# KiCad board EKO_Miner_BM1366-13xx_16-01A.kicad_pcb (continued)
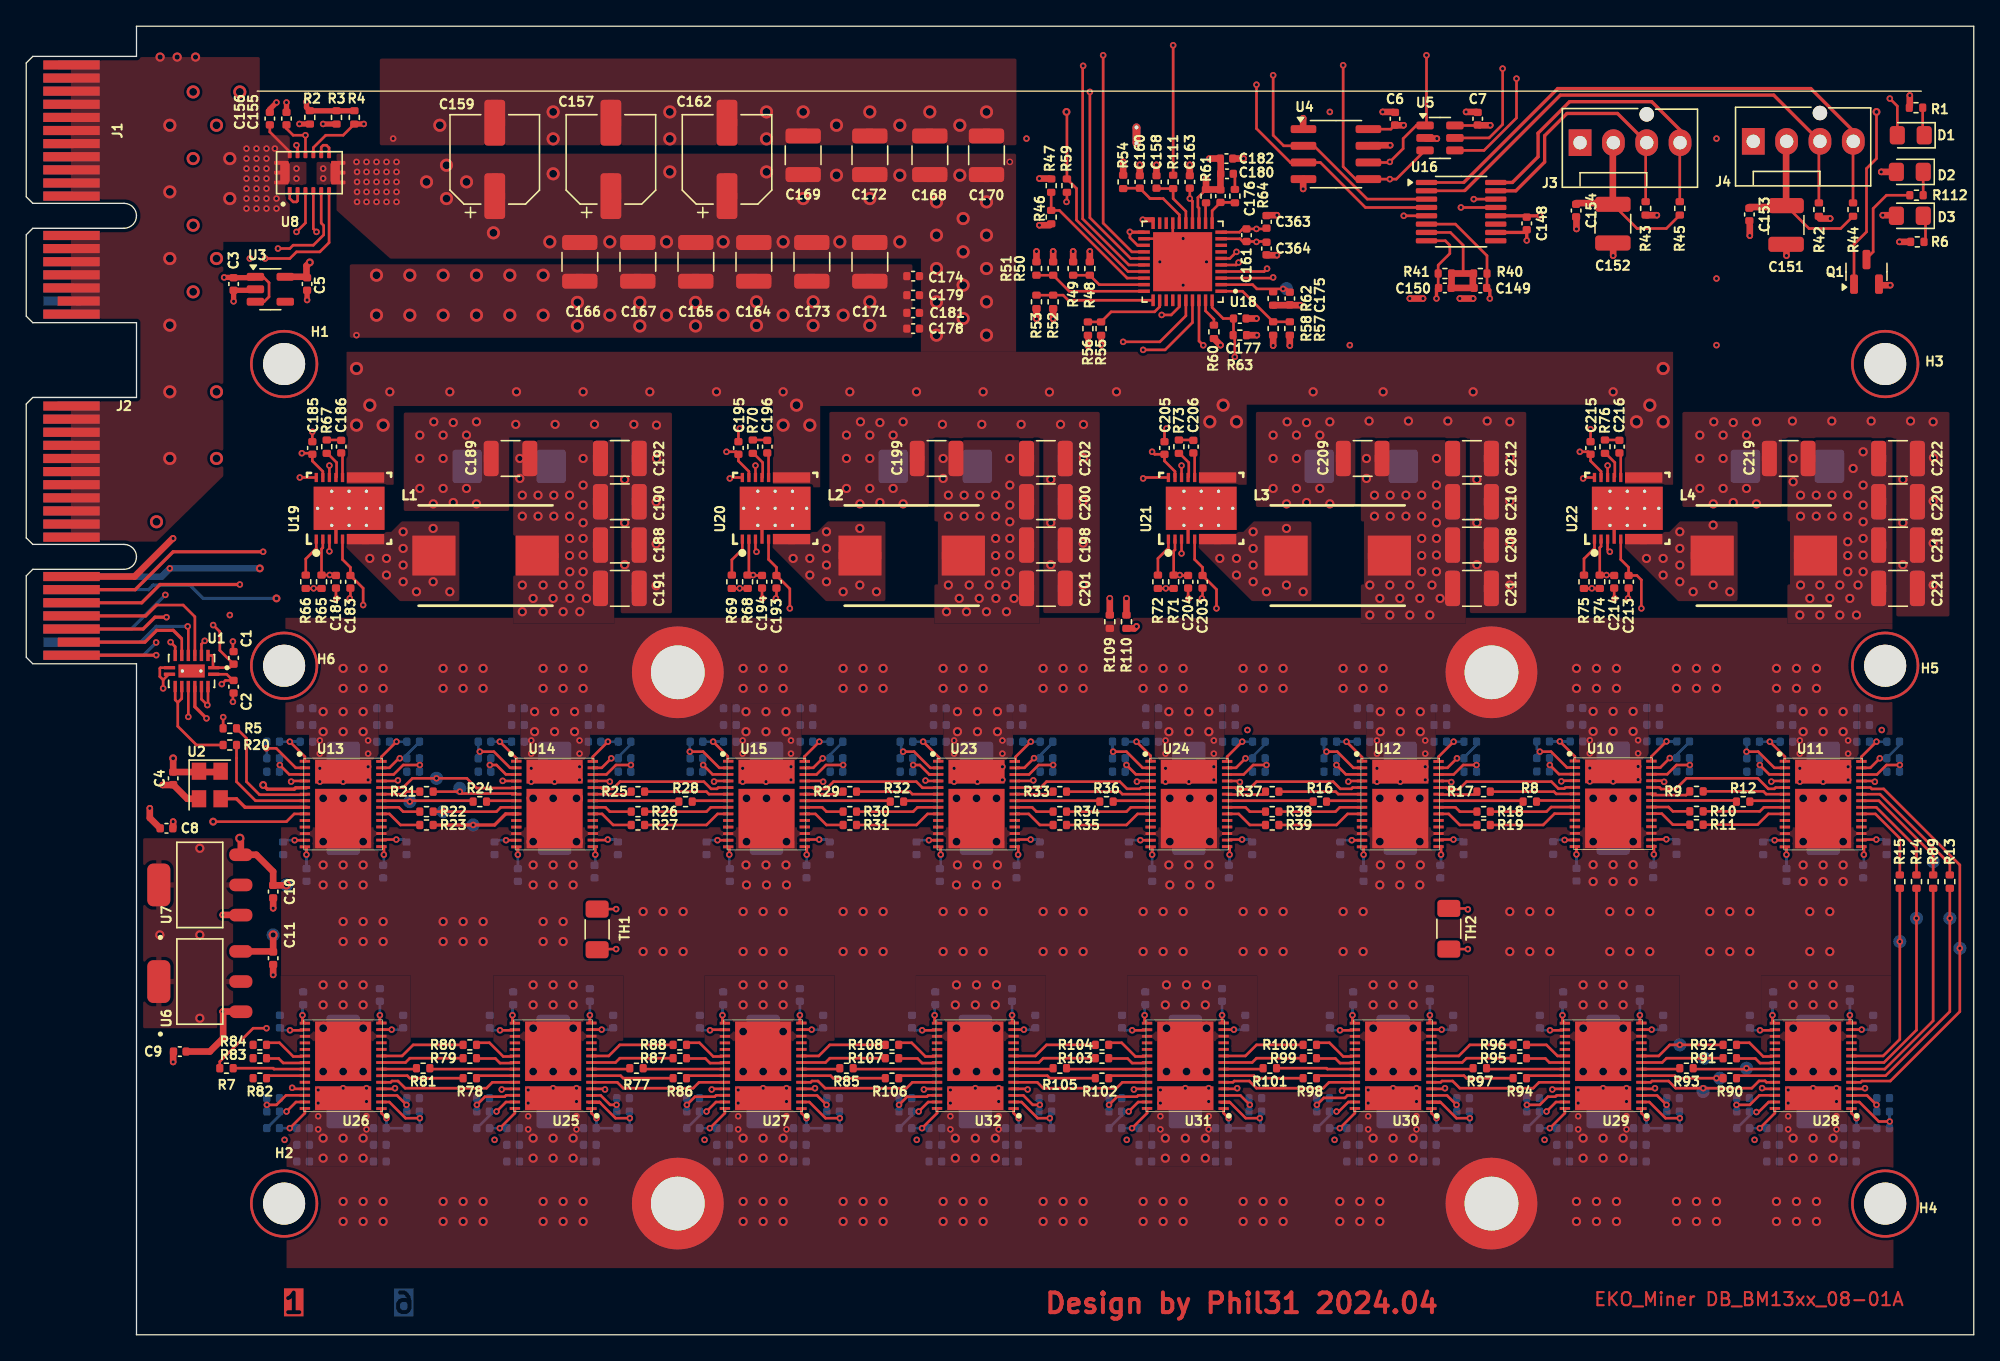
[diagram p0: board, top side]
## Routing (per net, layer and track width the routed paths; a pad name or vN(x,y) marks a point on that pad's centre or on a via; arc(x,y) is an arc through that point) (continued)
/ASICs/ASICs_BM1366_1/BM1366-2/VDD3_1: length 4.3
  Top w0.2: v2(62.25,43.43) 60.94,43.43 60.22,42.71 59.29,42.71
  Bottom w0.2: 62.18,43.94 62.18,43.5 v2(62.25,43.43) 62.18,43.37 62.18,42.93
/ASICs/ASICs_BM1366_1/BM1366-3/VDD1_0: length 4.4
  Top w0.2: 69.56,43.72 69.56,43.99 v2(68.34,45.21)
  Bottom w0.2: v2(68.34,45.21) 69.21,45.21 67.63,45.21
/ASICs/ASICs_BM1366_1/BM1366-3/VDD1_1: length 3.3
  Top w0.2: 75.4,43.71 75.4,44.06 v2(76.54,45.21)
  Bottom w0.2: 77.33,45.21 76.01,45.21
/ASICs/ASICs_BM1366_1/BM1366-3/VDD2_0: length 4.6
  Top w0.2: v2(66.82,44.45) 67.66,44.45 68.89,43.22 U23.2
  Bottom w0.2: 66.67,45.21 66.67,44.6 v2(66.82,44.45) 66.67,44.3 66.67,43.94
/ASICs/ASICs_BM1366_1/BM1366-3/VDD2_1: length 3.9
  Top w0.2: 75.4,43.22 76.06,43.22 v2(76.79,43.96)
  Bottom w0.2: v2(76.79,43.96) 76.81,43.94 77.33,43.94 77.33,44.25 78.29,45.21
/ASICs/ASICs_BM1366_1/BM1366-3/VDD3_0: length 4
  Top w0.2: U23.3 68.81,42.72 ; 68.81,42.72 69.56,42.72 ; 68.81,42.72 68.09,43.43 v2(67.58,43.43)
  Bottom w0.2: 67.63,43.94 67.63,43.48 v2(67.58,43.43) 67.63,43.39 67.63,42.93
/ASICs/ASICs_BM1366_1/BM1366-3/VDD3_1: length 4.2
  Top w0.2: 75.4,42.71 76.41,42.71 77.14,43.43 v2(78.25,43.43)
  Bottom w0.2: 78.29,42.93 78.29,43.39 v2(78.25,43.43) 78.29,43.48 78.29,43.94
/ASICs/ASICs_BM1366_1/BM1366-4/VDD1_0: length 4.2
  Top w0.2: v2(84.6,45.21) 85.68,44.14 U24.1
  Bottom w0.2: v2(84.6,45.21) C140.1 C138.2
/ASICs/ASICs_BM1366_1/BM1366-4/VDD1_1: length 3.3
  Top w0.2: U24.28 91.51,44.06 v2(92.66,45.21)
  Bottom w0.2: C223.1 C146.2
/ASICs/ASICs_BM1366_1/BM1366-4/VDD2_0: length 4.7
  Top w0.2: U24.2 85.07,43.22 83.84,44.45 v2(82.82,44.45)
  Bottom w0.2: C136.2 82.78,44.41 v2(82.82,44.45) 82.78,44.49 C138.1
/ASICs/ASICs_BM1366_1/BM1366-4/VDD2_1: length 3.9
  Top w0.2: v2(92.91,43.94) 92.19,43.22 U24.27
  Bottom w0.2: C223.2 94.41,45.03 93.45,44.07 C225.1 v2(92.91,43.94)
/ASICs/ASICs_BM1366_1/BM1366-4/VDD3_0: length 3.2
  Top w0.2: U24.3 84.56,42.72 v2(83.84,43.43)
  Bottom w0.2: C135.2 83.74,43.33 v2(83.84,43.43) 83.74,43.53 C136.1
/ASICs/ASICs_BM1366_1/BM1366-4/VDD3_1: length 4.4
  Top w0.2: U24.26 92.76,42.71 93.49,43.43 v2(94.51,43.43)
  Bottom w0.2: C225.2 94.41,43.53 v2(94.51,43.43) 94.41,43.33 C226.1
/ASICs/ASICs_BM1366_1/BM1366-5/VDD1_0: length 4.4
  Top w0.2: v2(100.6,45.21) 101.79,44.03 U12.1
  Bottom w0.2: C53.2 C55.1 v2(100.6,45.21)
/ASICs/ASICs_BM1366_1/BM1366-5/VDD1_1: length 3.3
  Top w0.2: v2(108.77,45.21) 107.62,44.06 U12.28
  Bottom w0.2: C63.1 C61.2
/ASICs/ASICs_BM1366_1/BM1366-5/VDD2_0: length 4.6
  Top w0.2: U12.2 101.13,43.22 99.9,44.45 v2(99.08,44.45)
  Bottom w0.2: C53.1 98.89,44.64 v2(99.08,44.45) 98.89,44.26 C51.2
/ASICs/ASICs_BM1366_1/BM1366-5/VDD2_1: length 3.9
  Top w0.2: U12.27 108.3,43.22 v2(109.02,43.94)
  Bottom w0.2: C63.2 110.52,44.96 109.56,44 C65.1 v2(109.02,43.94)
/ASICs/ASICs_BM1366_1/BM1366-5/VDD3_0: length 3.3
  Top w0.2: v2(99.84,43.43) 100.56,42.72 U12.3
  Bottom w0.2: C50.2 99.85,43.43 v2(99.84,43.43) 99.85,43.44 C51.1
/ASICs/ASICs_BM1366_1/BM1366-5/VDD3_1: length 4.2
  Top w0.2: U12.26 108.77,42.71 109.49,43.43 v2(110.51,43.43)
  Bottom w0.2: C65.2 110.52,43.44 v2(110.51,43.43) 110.52,43.43 C66.1
/ASICs/ASICs_BM1366_1/BM1366-6/VDD1_0: length 4.3
  Top w0.2: U10.1 118.01,44.08 v2(116.86,45.23)
  Bottom w0.2: C19.2 C21.1 v2(116.86,45.23)
/ASICs/ASICs_BM1366_1/BM1366-6/VDD1_1: length 3.3
  Top w0.2: U10.28 123.84,44.08 v2(124.99,45.23)
  Bottom w0.2: C29.1 C27.2
/ASICs/ASICs_BM1366_1/BM1366-6/VDD2_0: length 4.6
  Top w0.2: 118.01,43.24 117.4,43.24 116.19,44.45 v2(115.33,44.45)
  Bottom w0.2: C17.2 115.11,44.22 v2(115.33,44.45) 115.11,44.68 C19.1
/ASICs/ASICs_BM1366_1/BM1366-6/VDD2_1: length 3.9
  Top w0.2: 123.84,43.24 124.52,43.24 v2(125.24,43.96)
  Bottom w0.2: v2(125.24,43.96) C31.1 125.78,44.22 126.74,45.18 C29.2
/ASICs/ASICs_BM1366_1/BM1366-6/VDD3_0: length 3.2
  Top w0.2: U10.3 116.79,42.74 v2(116.1,43.43)
  Bottom w0.2: C16.2 116.07,43.41 v2(116.1,43.43) 116.07,43.46 C17.1
/ASICs/ASICs_BM1366_1/BM1366-6/VDD3_1: length 4.3
  Top w0.2: U10.26 125.04,42.73 125.75,43.43 v2(126.76,43.43)
  Bottom w0.2: C31.2 126.74,43.46 v2(126.76,43.43) 126.74,43.41 C32.1
/ASICs/ASICs_BM1366_1/BM1366-7/VDD1_0: length 4.3
  Top w0.2: v2(132.86,45.21) 134.01,44.06 U11.1
  Bottom w0.2: C36.2 C38.1 v2(132.86,45.21)
/ASICs/ASICs_BM1366_1/BM1366-7/VDD1_1: length 3.3
  Top w0.2: U11.28 139.84,44.06 v2(140.99,45.21)
  Bottom w0.2: C46.1 C44.2
/ASICs/ASICs_BM1366_1/BM1366-7/VDD2_0: length 4.7
  Top w0.2: U11.2 133.21,43.22 ; v2(131.08,44.45) 131.98,44.45 133.16,43.26
  Bottom w0.2: C36.1 131.11,44.48 v2(131.08,44.45) 131.11,44.42 C34.2
/ASICs/ASICs_BM1366_1/BM1366-7/VDD2_1: length 3.9
  Top w0.2: U11.27 140.52,43.22 v2(141.24,43.94)
  Bottom w0.2: C46.2 142.74,44.94 141.78,43.98 C48.1 v2(141.24,43.94)
/ASICs/ASICs_BM1366_1/BM1366-7/VDD3_0: length 3.2
  Top w0.2: U11.3 132.81,42.72 v2(132.1,43.43)
  Bottom w0.2: C33.2 132.07,43.41 v2(132.1,43.43) 132.07,43.46 C34.1
/ASICs/ASICs_BM1366_1/BM1366-7/VDD3_1: length 4.3
  Top w0.2: U11.26 141.02,42.71 141.75,43.43 v2(142.77,43.43)
  Bottom w0.2: C48.2 142.74,43.46 v2(142.77,43.43) 142.74,43.41 C49.1
/ASICs/ASICs_BM1366_2/BM1366-0/VDD1_0: length 3.2
  Top w0.2: 139.08,17.24 139.08,16.9 v2(139.46,16.51)
  Bottom w0.2: v2(139.46,16.51) 139.46,15.78 C283.1 C281.2
/ASICs/ASICs_BM1366_2/BM1366-0/VDD1_1: length 3.3
  Top w0.2: v2(132.1,15.75) 133.25,16.9 U28.28
  Bottom w0.2: C291.1 C289.2
/ASICs/ASICs_BM1366_2/BM1366-0/VDD2_0: length 4.8
  Top w0.2: v2(141.99,16.26) 141.17,16.26 139.68,17.74 U28.2
  Bottom w0.2: C279.2 141.98,16.27 v2(141.99,16.26) 141.98,16.24 C281.1
/ASICs/ASICs_BM1366_2/BM1366-0/VDD2_1: length 3.7
  Top w0.2: v2(131.84,16.98) 132.01,16.98 132.77,17.74 U28.27
  Bottom w0.2: v2(131.84,16.98) 131.58,16.98 C291.2
/ASICs/ASICs_BM1366_2/BM1366-0/VDD3_0: length 3.2
  Top w0.2: U28.3 140.27,18.24 v2(140.99,17.53)
  Bottom w0.2: C279.1 141.02,17.5 v2(140.99,17.53) 141.02,17.55 C278.2
/ASICs/ASICs_BM1366_2/BM1366-0/VDD3_1: length 4.3
  Top w0.2: v2(130.32,17.53) 131.34,17.53 132.06,18.25 U28.26
  Bottom w0.2: C294.1 130.35,17.55 v2(130.32,17.53) 130.35,17.5 C293.2
/ASICs/ASICs_BM1366_2/BM1366-1/VDD1_0: length 3.2
  Top w0.2: v2(123.46,16.51) 123.08,16.9 123.08,17.24
  Bottom w0.2: v2(123.46,16.51) 123.46,15.78 C300.1 C298.2
/ASICs/ASICs_BM1366_2/BM1366-1/VDD1_1: length 3.3
  Top w0.2: U29.28 117.24,16.9 v2(116.1,15.75)
  Bottom w0.2: C308.1 C306.2
/ASICs/ASICs_BM1366_2/BM1366-1/VDD2_0: length 4.7
  Top w0.2: v2(126,16.51) 124.91,16.51 123.68,17.74 U29.2
  Bottom w0.2: C298.1 v2(126,16.51) C296.2
/ASICs/ASICs_BM1366_2/BM1366-1/VDD2_1: length 3.9
  Top w0.2: U29.27 116.56,17.74 v2(115.84,17.02)
  Bottom w0.2: v2(115.84,17.02) C310.1 115.31,16.71 C308.2
/ASICs/ASICs_BM1366_2/BM1366-1/VDD3_0: length 3.2
  Top w0.2: U29.3 124.27,18.24 v2(124.99,17.53)
  Bottom w0.2: C295.2 125.01,17.55 v2(124.99,17.53) 125.01,17.5 C296.1
/ASICs/ASICs_BM1366_2/BM1366-1/VDD3_1: length 4.2
  Top w0.2: U29.26 116.62,18.25 116.52,18.15 115.96,18.15 115.33,17.53 v2(114.35,17.53)
  Bottom w0.2: C311.1 C310.2
/ASICs/ASICs_BM1366_2/BM1366-2/VDD1_0: length 3.2
  Top w0.2: v2(107.46,16.51) 107.07,16.9 107.07,17.24
  Bottom w0.2: v2(107.46,16.51) 107.46,15.78 C317.1 C315.2
/ASICs/ASICs_BM1366_2/BM1366-2/VDD1_1: length 3.3
  Top w0.2: v2(100.09,15.75) 101.24,16.9 U30.28
  Bottom w0.2: C325.1 C323.2
/ASICs/ASICs_BM1366_2/BM1366-2/VDD2_0: length 6.2
  Top w0.2: v2(110,16.51) 108.98,16.51 107.75,17.74 U30.2 107.7,17.74 107.74,17.7 106.88,17.7
  Bottom w0.2: C315.1 v2(110,16.51) C313.2
/ASICs/ASICs_BM1366_2/BM1366-2/VDD2_1: length 3.9
  Top w0.2: U30.27 100.74,17.74 100.02,17.02 v2(99.84,17.02)
  Bottom w0.2: C325.2 99.3,16.71 C327.1 v2(99.84,17.02)
/ASICs/ASICs_BM1366_2/BM1366-2/VDD3_0: length 3.2
  Top w0.2: U30.3 108.27,18.24 v2(108.98,17.53)
  Bottom w0.2: C313.1 109.01,17.5 v2(108.98,17.53) 109.01,17.55 C312.2
/ASICs/ASICs_BM1366_2/BM1366-2/VDD3_1: length 4.2
  Top w0.2: v2(98.34,17.53) 98.87,18.06 100.49,18.06 100.69,18.25 U30.26
  Bottom w0.2: C328.1 C327.2
/ASICs/ASICs_BM1366_2/BM1366-3/VDD1_0: length 3.2
  Top w0.2: v2(91.62,16.51) 91.24,16.9 91.24,17.24
  Bottom w0.2: v2(91.62,16.51) 91.62,15.78 C334.1 C332.2
/ASICs/ASICs_BM1366_2/BM1366-3/VDD1_1: length 3.3
  Top w0.2: U31.28 85.41,16.9 v2(84.26,15.75)
  Bottom w0.2: C342.1 C340.2
/ASICs/ASICs_BM1366_2/BM1366-3/VDD2_0: length 5.3
  Top w0.2: v2(94,16.51) 92.92,16.51 91.69,17.74 ; 91.69,17.74 91.74,17.7 91.04,17.7 ; 91.69,17.74 U31.2
  Bottom w0.2: C330.2 v2(94,16.51) C332.1
/ASICs/ASICs_BM1366_2/BM1366-3/VDD2_1: length 3.9
  Top w0.2: v2(84,17.02) 84.73,17.74 U31.27
  Bottom w0.2: C342.2 83.47,16.71 C344.1 v2(84,17.02)
/ASICs/ASICs_BM1366_2/BM1366-3/VDD3_0: length 3.4
  Top w0.2: v2(93.24,17.53) 92.52,18.24 U31.3
  Bottom w0.2: C330.1 93.18,17.47 v2(93.24,17.53) 93.18,17.59 C329.2
/ASICs/ASICs_BM1366_2/BM1366-3/VDD3_1: length 4.2
  Top w0.2: U31.26 84.73,18.25 84.63,18.15 83.13,18.15 v2(82.51,17.53)
  Bottom w0.2: C345.1 C344.2
/ASICs/ASICs_BM1366_2/BM1366-4/VDD1_0: length 3.2
  Top w0.2: v2(75.62,16.51) 75.24,16.9 75.24,17.24
  Bottom w0.2: C349.2 C351.1 75.62,15.78 v2(75.62,16.51)
/ASICs/ASICs_BM1366_2/BM1366-4/VDD1_1: length 3.3
  Top w0.2: v2(68.26,15.75) 69.4,16.9 U32.28
  Bottom w0.2: C359.1 C357.2
/ASICs/ASICs_BM1366_2/BM1366-4/VDD2_0: length 4.6
  Top w0.2: U32.2 75.84,17.74 77.07,16.51 v2(78,16.51)
  Bottom w0.2: C347.2 v2(78,16.51) C349.1
/ASICs/ASICs_BM1366_2/BM1366-4/VDD2_1: length 3.9
  Top w0.2: U32.27 68.73,17.74 v2(68,17.02)
  Bottom w0.2: C359.2 67.47,16.71 C361.1 v2(68,17.02)
/ASICs/ASICs_BM1366_2/BM1366-4/VDD3_0: length 3.4
  Top w0.2: U32.3 75.98,18.24 76.7,17.53 v2(77.23,17.53)
  Bottom w0.2: C347.1 77.17,17.47 v2(77.23,17.53) 77.17,17.59 C346.2
/ASICs/ASICs_BM1366_2/BM1366-4/VDD3_1: length 4.2
  Top w0.2: U32.26 68.73,18.25 68.63,18.15 67.13,18.15 v2(66.51,17.53)
  Bottom w0.2: C362.1 C361.2
/ASICs/ASICs_BM1366_2/BM1366-5/VDD1_0: length 3.2
  Top w0.2: v2(59.45,16.51) 59.07,16.9 59.07,17.24
  Bottom w0.2: C264.2 C266.1 59.45,15.78 v2(59.45,16.51)
/ASICs/ASICs_BM1366_2/BM1366-5/VDD1_1: length 3.3
  Top w0.2: U27.28 53.24,16.9 v2(52.09,15.75)
  Bottom w0.2: C274.1 C272.2
/ASICs/ASICs_BM1366_2/BM1366-5/VDD2_0: length 4.7
  Top w0.2: U27.2 59.67,17.74 60.9,16.51 v2(61.99,16.51)
  Bottom w0.2: C264.1 v2(61.99,16.51) C262.2
/ASICs/ASICs_BM1366_2/BM1366-5/VDD2_1: length 3.9
  Top w0.2: v2(51.83,17.02) 52.56,17.74 U27.27
  Bottom w0.2: C274.2 51.3,16.71 C276.1 v2(51.83,17.02)
/ASICs/ASICs_BM1366_2/BM1366-5/VDD3_0: length 3.2
  Top w0.2: U27.3 60.26,18.24 v2(60.98,17.53)
  Bottom w0.2: C261.2 61.01,17.55 v2(60.98,17.53) 61.01,17.5 C262.1
/ASICs/ASICs_BM1366_2/BM1366-5/VDD3_1: length 4.2
  Top w0.2: U27.26 52.57,18.25 52.46,18.15 50.96,18.15 v2(50.34,17.53)
  Bottom w0.2: C277.1 C276.2
/ASICs/ASICs_BM1366_2/BM1366-6/VDD1_0: length 3.2
  Top w0.2: v2(43.45,16.51) 43.07,16.9 43.07,17.24
  Bottom w0.2: C230.2 C232.1 43.45,15.78 v2(43.45,16.51)
/ASICs/ASICs_BM1366_2/BM1366-6/VDD1_1: length 3.3
  Top w0.2: U25.28 37.23,16.9 v2(36.09,15.75)
  Bottom w0.2: C240.1 C238.2
/ASICs/ASICs_BM1366_2/BM1366-6/VDD2_0: length 6.2
  Top w0.2: v2(45.99,16.51) 44.9,16.51 43.67,17.74 U25.2 43.69,17.74 43.73,17.7 42.87,17.7
  Bottom w0.2: C230.1 v2(45.99,16.51) C228.2
/ASICs/ASICs_BM1366_2/BM1366-6/VDD2_1: length 3.9
  Top w0.2: U25.27 36.56,17.74 v2(35.83,17.02)
  Bottom w0.2: C240.2 35.3,16.71 C242.1 v2(35.83,17.02)
/ASICs/ASICs_BM1366_2/BM1366-6/VDD3_0: length 3.2
  Top w0.2: v2(44.98,17.53) 44.49,17.53 43.78,18.24 U25.3
  Bottom w0.2: C228.1 45,17.5 v2(44.98,17.53) 45,17.55 C227.2
/ASICs/ASICs_BM1366_2/BM1366-6/VDD3_1: length 4.2
  Top w0.2: U25.26 36.56,18.25 36.46,18.15 34.96,18.15 v2(34.34,17.53)
  Bottom w0.2: C243.1 C242.2
/ASICs/ASICs_BM1366_2/BM1366-7/VDD1_0: length 3.2
  Top w0.2: 27.06,17.24 27.06,16.9 v2(27.45,16.51)
  Bottom w0.2: C247.2 C249.1 27.45,15.78 v2(27.45,16.51)
/ASICs/ASICs_BM1366_2/BM1366-7/VDD1_1: length 3.3
  Top w0.2: v2(20.08,15.75) 21.23,16.9 U26.28
  Bottom w0.2: C257.1 C255.2
/ASICs/ASICs_BM1366_2/BM1366-7/VDD2_0: length 4.7
  Top w0.2: v2(29.99,16.51) 28.9,16.51 27.67,17.74 U26.2
  Bottom w0.2: C247.1 v2(29.99,16.51) C245.2
/ASICs/ASICs_BM1366_2/BM1366-7/VDD2_1: length 3.9
  Top w0.2: U26.27 20.55,17.74 v2(19.83,17.02)
  Bottom w0.2: v2(19.83,17.02) C259.1 19.29,16.71 C257.2
/ASICs/ASICs_BM1366_2/BM1366-7/VDD3_0: length 3.2
  Top w0.2: v2(28.97,17.53) 28.26,18.24 U26.3
  Bottom w0.2: C245.1 29,17.5 v2(28.97,17.53) 29,17.55 C244.2
/ASICs/ASICs_BM1366_2/BM1366-7/VDD3_1: length 4.2
  Top w0.2: U26.26 19.79,18.25 19.07,17.53 v2(18.33,17.53)
  Bottom w0.2: C260.1 C259.2
/PSU_160A/VIN: length 10.2
  Top w0.4: 73.73,88.44 C170.1
  Top w0.5: R54.2 v2(83.58,89.41)
  In2.Cu w0.5: v2(83.58,89.41) v5(74.95,89.41)
  vias: v1(27.7,71.88) v1(32.28,71.88) v1(37.36,71.88) v1(42.44,71.88) v1(47.52,71.88) v1(52.6,71.88) v1(57.68,71.88) v1(62.76,71.88) v1(67.84,71.88) v1(72.92,71.88) v1(77.97,71.86) v1(83.08,71.88) v1(98.06,71.88) v1(103.4,71.88) v1(110.25,71.88) v1(120.92,71.88) v2(22.62,88.9) v2(22.62,88.15) v2(25.16,89.41) v2(25.21,88.65) v2(25.21,87.88) v2(25.21,87.12) v2(25.21,86.36) v2(25.93,89.41) v2(25.93,88.65) v2(25.93,87.88) v2(25.93,87.12) v2(25.93,86.36) v2(26.69,89.41) v2(26.69,88.65) v2(26.69,87.88) v2(26.69,87.12) v2(26.69,86.36) v2(27.45,89.41) v2(27.45,88.65) v2(27.45,87.88) v2(27.45,87.12) v2(27.45,86.36) v2(28.21,89.41) v2(28.21,88.65) v2(28.21,87.88) v2(28.21,87.12) v2(28.21,86.36) v3(25.16,73.66) v3(25.16,69.34) v3(26.18,70.87) v3(27.2,69.34) v3(30.5,87.88) v3(32.02,89.15) v3(32.02,86.61) v3(33.55,87.88) v3(35.6,84) v3(39.9,83.31) v3(40.15,88.5) v3(44.47,83.31) v3(48.79,83.31) v3(49.04,88.65) v3(53.1,83.31) v3(56.41,88.65) v3(57.68,83.31) v3(57.68,69.34) v3(58.69,70.87) v3(59.2,86.61) v3(59.71,69.34) v3(61.74,88.39) v3(61.99,83.31) v3(64.28,86.61) v3(66.57,88.39) v3(66.57,83.31) v3(69.36,86.36) v3(69.36,83.82) v3(69.36,81.28) v3(69.36,78.74) v3(69.36,76.2) v3(71.14,88.39) v3(71.39,85.09) v3(71.39,82.55) v3(71.39,80.01) v3(71.39,77.47) v3(73.17,86.36) v3(73.17,83.82) v3(73.17,81.28) v3(73.17,78.74) v3(73.17,76.2) v3(90.19,69.6) v3(91.2,70.87) v3(92.22,69.6) v3(122.7,69.6) v3(123.72,70.87) v3(124.73,73.66) v3(124.73,69.6)
GND: length 82.5
  Top w0.2: 53.61,42.22 52.46,42.22 v2(52.41,42.17) ; v2(60.1,18.79) 60.05,18.75 58.92,18.75 ; v2(56.11,56.13) 56.07,56.17 C194.2 ; 117.01,18.75 116.34,18.75 v2(116.29,18.7) ; 10.43,49.92 v2(10.43,49.28) ; 10.43,49.92 10.86,50.35 ; 10.43,49.92 10.18,50.18 10.18,50.8 10.23,50.85 U1.8 ; C215.2 v2(119.2,69.03) ; 134.16,42.22 133.02,42.22 v2(132.97,42.17) ; v2(92.27,18.79) 92.23,18.75 91.09,18.75 ; v2(124.11,18.79) 124.06,18.75 122.92,18.75 ; 85.17,18.75 84.45,18.75 v2(84.4,18.7) ; 43.41,42.22 44.42,42.22 v2(44.47,42.16) ; v2(68.52,42.25) 68.55,42.22 69.72,42.22 ; v2(76.31,18.7) 76.26,18.75 75.08,18.75 ; 37,18.75 36.28,18.75 v2(36.23,18.7) ; C203.2 89.63,56.18 v2(89.59,56.13) ; 13.35,49.36 13.35,48.45 v2(13.8,48) 13.85,48.05 13.85,49.36 ; 91.74,42.22 92.39,42.22 v2(92.48,42.13) ; v2(84.63,42.17) 84.68,42.22 85.83,42.22 ; v2(116.97,42.19) 117.02,42.23 118.16,42.23 ; 107.86,42.22 108.5,42.22 v2(108.59,42.13) ; v2(20.18,42.17) 20.23,42.22 21.38,42.22 ; 15.75,48.92 v2(15.75,48.25) ; C205.2 86.73,68.94 v2(86.89,69.09) ; v2(108.11,18.79) 108.06,18.75 106.92,18.75 ; v2(60.72,42.16) 60.67,42.22 59.52,42.22 ; U13.25 28.27,42.22 v2(28.32,42.26) ; 133.01,18.75 132.33,18.75 v2(132.27,18.8) ; v2(140.11,18.79) 140.06,18.75 138.93,18.75 ; v2(54.37,69.09) 54.27,68.98 C195.2 ; 53,18.75 52.28,18.75 v2(52.23,18.7) ; U8.12 20.68,90.59 v2(20.59,90.68) ; C204.2 88.53,56.17 v2(88.57,56.13) ; v2(122.06,56.13) 122.1,56.18 C213.2 ; v2(20.26,18.83) 20.35,18.75 21,18.75 ; 75.63,42.22 76.69,42.22 v2(76.74,42.26) ; v2(28.1,18.79) 28.05,18.75 26.91,18.75 ; 140.08,42.22 140.8,42.22 v2(140.86,42.16) ; C193.2 57.17,56.18 v2(57.12,56.13) ; U16.5 v2(104.96,85.3) ; 17.38,79.62 U3.2 ; 42.91,18.75 44.05,18.75 v2(44.1,18.7) ; C184.2 23.6,56.17 v2(23.64,56.13) ; 69.17,18.75 68.45,18.75 v2(68.4,18.7) ; v2(36.3,42.22) 36.31,42.22 37.5,42.22 ; 124.07,42.23 124.72,42.23 v2(124.81,42.15) ; v2(100.74,42.17) 100.79,42.22 101.94,42.22 ; v2(13.6,52.9) 13.35,52.65 13.35,51.84 ; 15,46.4 15,47.08 ; 101.01,18.75 100.4,18.75 v2(100.26,18.61) ; C185.2 v2(21.8,68.83) ; C183.2 24.7,56.18 v2(24.66,56.13) ; v2(121.04,56.13) 121,56.17 C214.2 ; 15.75,52.08 v2(15.75,52.85)
  Top w0.25: U16.10 114.22,84.03 114.34,84.15 v2(114.34,83.42)
  Top w0.4: 21.4,79.6 v2(21.4,78.88) ; C3.2 17.38,79.62 ; 19.83,93.22 v2(19.83,93.94) ; 15.8,79.5 v2(15.8,78.78) ; 18.56,93.22 18.56,93.43 v2(19.07,93.94)
  Top w0.5: 131.34,84.58 v2(131.34,83.79) ; C10.2 v2(18.81,32.51) ; v2(84.6,54) 84.45,53.85 R110.2 ; 143.53,83.31 v2(142.74,83.31) ; 141.24,80.01 v2(142.04,80.01) ; 11.19,38.61 v2(11.19,39.12) ; 110.51,93.22 v2(109.71,93.22) ; U4.7 102.32,90.68 v2(103.93,90.68) ; 143.53,93.68 v2(143.53,94.47) ; 134.13,83.06 v2(134.13,82.26) ; 104.16,93.22 v2(103.36,93.22) ; U2.2 12.27,40.86 C4.2 ; 120.92,83.06 v2(120.92,82.26) ; 97.3,88.14 v2(97.3,87.35) ; 84.85,88.39 v2(84.85,89.19) ; 11.19,41.91 v2(10.39,41.91) ; 106.7,91.19 v2(107.49,91.19) ; C11.2 v2(18.81,27.43) ; 11.19,21.59 v2(11.19,20.8) ; 86.12,88.39 v2(86.12,89.19) ; 118.13,85.09 v2(118.13,84.3)
  Bottom w0.2: 109.56,42.67 109.56,42.98
  vias: v1(10.18,30.48) v1(13.23,37.08) v1(13.23,30.48) v1(13.23,24.13) v1(22.62,35.81) v1(22.62,34.29) v1(22.62,26.67) v1(22.62,25.15) v1(24.15,35.81) v1(24.15,34.29) v1(24.15,31.5) v1(24.15,29.97) v1(24.15,26.67) v1(24.15,25.15) v1(25.67,35.81) v1(25.67,34.29) v1(25.67,31.5) v1(25.67,29.97) v1(25.67,26.67) v1(25.67,25.15) v1(27.2,31.5) v1(27.2,29.97) v1(29.99,68.58) v1(29.99,66.8) v1(29.99,64.52) v1(31.05,69.6) v1(31.01,63.34) v1(31.77,68.58) v1(31.77,66.8) v1(31.77,64.52) v1(31.77,31.5) v1(31.77,29.97) v1(32.54,69.54) v1(32.54,63.44) v1(33.29,31.5) v1(33.29,29.97) v1(33.55,68.58) v1(33.55,64.52) v1(34.31,69.6) v1(34.31,63.34) v1(34.82,31.5) v1(34.82,29.97) v1(37.3,69.4) v1(38.63,35.81) v1(38.63,34.29) v1(38.63,26.67) v1(38.63,25.15) v1(39.39,31.5) v1(39.39,29.97) v1(40.15,35.81) v1(40.15,34.29) v1(40.15,26.67) v1(40.15,25.15) v1(40.3,69.4) v1(40.91,31.5) v1(40.91,29.97) v1(41.67,35.81) v1(41.67,34.29) v1(41.67,26.67) v1(41.67,25.15) v1(43.3,69.4) v1(45.6,65.2) v1(45.6,61.9) v1(45.6,58.7) v1(46.3,69.4) v1(47.01,32.26) v1(47.01,29.21) v1(48,63.5) v1(48,60.3) v1(48,57.1) v1(48.02,69.34) v1(48.02,66.8) v1(48.53,32.26) v1(48.53,29.21) v1(50.06,32.26) v1(50.06,29.21) v1(54.63,32.26) v1(54.63,29.21) v1(54.63,26.67) v1(54.63,25.15) v1(54.85,35.81) v1(54.88,34.29) v1(56.15,32.26) v1(56.15,29.21) v1(56.15,26.67) v1(56.15,25.15) v1(56.37,35.81) v1(56.41,34.29) v1(57.68,32.26) v1(57.68,29.21) v1(57.68,26.67) v1(57.68,25.15) v1(57.89,35.81) v1(57.93,34.29) v1(62.25,32.26) v1(62.25,29.21) v1(62.5,68.58) v1(62.5,66.8) v1(62.5,64.52) v1(63.57,69.6) v1(63.53,63.34) v1(63.77,32.26) v1(63.77,29.21) v1(64.28,68.58) v1(64.28,66.8) v1(64.28,64.52) v1(65.05,69.54) v1(65.05,63.44) v1(65.3,32.26) v1(65.3,29.21) v1(66.06,68.58) v1(66.06,64.52) v1(66.82,69.6) v1(66.82,63.34) v1(69.81,69.4) v1(69.87,32.26) v1(69.87,29.21) v1(70.8,25.15) v1(70.88,34.29) v1(70.88,26.67) v1(70.96,35.81) v1(71.39,32.26) v1(71.39,29.21) v1(72.32,25.15) v1(72.48,35.81) v1(72.41,34.29) v1(72.41,26.67) v1(72.81,69.4) v1(72.92,32.26) v1(72.92,29.21) v1(73.84,25.15) v1(73.93,34.29) v1(73.93,26.67) v1(74,35.81) v1(75.81,69.4) v1(77.49,32.26) v1(77.49,29.21) v1(78.07,65.2) v1(78.07,61.9) v1(78.07,58.7) v1(78.81,69.4) v1(79.01,32.26) v1(79.01,29.21) v1(80.56,69.39) v1(80.56,66.85) v1(80.54,63.55) v1(80.54,60.35) v1(80.54,57.15) v1(80.54,32.26) v1(80.54,29.21) v1(85.11,32.26) v1(85.11,29.21) v1(86.63,32.26) v1(86.63,29.21) v1(86.8,25.15) v1(86.89,26.67) v1(87.07,35.81) v1(87.14,34.29) v1(88.16,32.26) v1(88.16,29.21) v1(88.32,25.15) v1(88.41,26.67) v1(88.59,35.81) v1(88.66,34.29) v1(89.85,25.15) v1(89.93,26.67) v1(90.12,35.81) v1(90.19,34.29) v1(92.73,32.26) v1(92.73,29.21) v1(94.25,32.26) v1(94.25,29.21) v1(95.01,68.58) v1(95.01,66.8) v1(95.01,64.52) v1(95.78,32.26) v1(95.78,29.21) v1(96.08,69.6) v1(96.04,63.34) v1(96.79,68.58) v1(96.79,66.8) v1(96.79,64.52) v1(97.56,69.54) v1(97.56,63.44) v1(98.57,68.58) v1(98.57,64.52) v1(99.33,69.6) v1(99.33,63.34) v1(100.35,32.26) v1(100.35,29.21) v1(101.87,32.26) v1(101.87,29.21) v1(102.32,69.65) v1(102.63,26.67) v1(102.63,25.15) v1(103.18,35.81) v1(103.14,34.29) v1(104.16,26.67) v1(104.16,25.15) v1(104.67,34.29) v1(104.7,35.81) v1(105.32,69.65) v1(105.68,26.67) v1(105.68,25.15) v1(106.19,34.29) v1(106.23,35.81) v1(108.32,69.65) v1(110.53,65.2) v1(110.53,61.9) v1(110.53,58.7) v1(111.32,69.65) v1(113.05,69.6) v1(113.07,66.85) v1(113.05,63.55) v1(113.05,60.35) v1(113.05,57.15) v1(113.05,32.26) v1(113.05,29.21) v1(114.57,32.26) v1(114.57,29.21) v1(116.1,32.26) v1(116.1,29.21) v1(118.64,26.67) v1(118.64,25.15) v1(119.4,35.83) v1(119.4,34.54) v1(120.16,26.67) v1(120.16,25.15) v1(120.67,32.26) v1(120.67,29.21) v1(120.92,35.83) v1(120.92,34.54) v1(121.68,26.67) v1(121.68,25.15) v1(122.19,32.26) v1(122.19,29.21) v1(122.45,35.83) v1(122.45,34.54) v1(123.72,32.26) v1(123.72,29.21) v1(127.53,68.58) v1(127.53,66.8) v1(127.53,64.52) v1(128.29,32.26) v1(128.29,29.21) v1(128.59,69.6) v1(128.55,63.34) v1(129.3,68.58) v1(129.3,66.8) v1(129.3,64.52) v1(129.81,32.26) v1(129.81,29.21) v1(130.07,69.54) v1(130.07,63.44) v1(131.08,68.58) v1(131.08,64.52) v1(131.34,32.26) v1(131.34,29.21) v1(131.84,69.6) v1(131.84,63.34) v1(134.58,69.65) v1(134.64,26.67) v1(134.64,25.15) v1(135.4,35.81) v1(135.4,34.54) v1(135.91,32.26) v1(135.91,29.21) v1(136.16,26.67) v1(136.16,25.15) v1(136.92,35.81) v1(136.92,34.54) v1(137.43,32.26) v1(137.43,29.21) v1(137.58,69.65) v1(137.69,26.67) v1(137.69,25.15) v1(138.45,35.81) v1(138.45,34.54) v1(140.58,69.65) v1(143,65.2) v1(143,61.9) v1(143,58.7) v1(143.58,69.65) v1(145.31,69.6) v1(145.33,66.85) v1(145.31,63.55) v1(145.31,60.35) v1(145.31,57.15) v2(15.01,47.08) v2(17.04,82.04) v2(19.68,14.86) v2(25.16,76.2) v2(27.96,91.19) v2(35.69,14.86) v2(51.69,14.86) v2(67.86,14.86) v2(76.22,91.19) v2(83.86,14.86) v2(93.06,46.1) v2(99.33,93.22) v2(99.69,14.86) v2(100.86,75.44) v2(105.43,78.99) v2(109.24,78.99) v2(115.7,14.86) v2(128.8,91.19) v2(128.8,80.52) v2(128.8,75.44) v2(131.7,14.86) v2(141.39,46.1) v3(9.92,61.98) v3(12.72,94.74) v3(12.72,89.66) v3(12.72,84.58) v3(12.72,79.5) v3(14.5,92.2) v3(14.5,82.04) v3(14.5,71.88) v3(14.5,66.8) v3(16.27,94.74) v3(22.62,40.89) v3(22.62,37.59) v3(22.62,23.37) v3(22.62,20.07) v3(24.15,40.89) v3(24.15,20.07) v3(25.67,40.89) v3(25.67,37.59) v3(25.67,23.37) v3(25.67,20.07) v3(26.69,80.77) v3(26.69,77.72) v3(29.23,80.77) v3(29.23,77.72) v3(31.51,92.2) v3(31.77,80.77) v3(31.77,77.72) v3(34.31,80.77) v3(34.31,77.72) v3(36.85,80.77) v3(36.85,77.72) v3(38.63,40.89) v3(38.63,37.59) v3(38.63,23.37) v3(38.63,20.07) v3(39.39,80.77) v3(39.39,77.72) v3(40.15,93.22) v3(40.15,91.16) v3(40.15,40.89) v3(40.15,20.07) v3(41.67,23.37) v3(41.67,20.07) v3(42,78.7) v3(42,76.9) v3(41.93,40.89) v3(41.93,37.59) v3(44.47,77.72) v3(46.75,78.7) v3(46.75,76.9) v3(48.79,77.72) v3(49.04,93.22) v3(49.04,91.16) v3(51,78.7) v3(51,76.9) v3(53.1,77.72) v3(54.63,23.11) v3(54.63,20.07) v3(54.88,40.89) v3(54.88,37.59) v3(55.64,78.74) v3(55.64,76.94) v3(56.15,20.07) v3(56.41,93.22) v3(56.41,91.16) v3(56.41,40.89) v3(57.68,77.72) v3(57.68,23.11) v3(57.68,20.07) v3(57.93,40.89) v3(57.93,37.59) v3(59.2,93.22) v3(59.96,78.74) v3(59.96,76.94) v3(61.74,92.2) v3(62.25,77.72) v3(64.28,93.22) v3(64.28,78.74) v3(64.28,76.94) v3(66.57,92.2) v3(68.85,93.22) v3(70.88,40.89) v3(70.88,37.59) v3(70.88,23.37) v3(70.88,20.07) v3(71.14,92.2) v3(72.41,40.89) v3(72.41,20.07) v3(73.17,93.22) v3(73.93,40.89) v3(73.93,37.59) v3(73.93,23.37) v3(73.93,20.07) v3(86.89,23.37) v3(86.89,20.07) v3(87.14,40.89) v3(87.14,37.59) v3(88.41,20.07) v3(88.66,40.89) v3(89.93,23.37) v3(89.93,20.07) v3(90.19,40.89) v3(90.19,37.59) v3(102.63,23.37) v3(102.63,20.07) v3(103.14,40.89) v3(103.14,37.59) v3(104.16,20.07) v3(104.67,40.89) v3(105.68,23.37) v3(105.68,20.07) v3(106.19,40.89) v3(106.19,37.59) v3(118.64,23.37) v3(118.64,20.07) v3(119.4,40.89) v3(119.4,37.59) v3(120.16,20.07) v3(120.92,40.89) v3(121.68,23.37) v3(121.68,20.07) v3(122.45,40.89) v3(122.45,37.59) v3(134.64,23.37) v3(134.64,20.07) v3(135.4,40.89) v3(135.4,37.59) v3(136.16,20.07) v3(136.92,40.89) v3(137.69,23.37) v3(137.69,20.07) v3(138.45,40.89) v3(138.45,37.59)
GNDA: length 17.7
  Top w0.2: 86.69,83.57 86.38,83.57 ; 86.38,83.57 U18.22 ; 86.38,83.57 86.37,83.55 ; U18.17 87.37,82.55 U18.41
  Top w0.4: 80.9,76.1 v2(80.9,75.38) ; 85.8,85 v2(85.08,85)
  Top w0.5: 94.51,85.34 v2(95.3,85.34) ; 92.98,76.2 v2(93.77,76.2) ; 78,88.14 v2(77.2,88.14) ; v2(97.08,78.49) 95.02,78.49 R62.2 ; 95.01,76.2 v2(95.01,75.41) ; 91.97,89.66 v2(92.76,89.66) ; R60.1 v2(91.01,75.44) ; 88.66,88.39 v2(88.66,89.19) ; 76.98,78.23 v2(76.98,77.44) ; C177.2 v2(93.74,77.47) ; 79.77,81.79 v2(79.77,82.58) ; 94.51,82.3 v2(95.3,82.3) ; 76.98,81.79 v2(76.98,82.58)
  vias: v2(86.38,81.79) v2(88.16,83.57) v2(88.16,80.01) v2(89.93,81.79)
